# Altium PCB AltitudeDynamicsControlBoard.PcbDoc (part 3 of 3)
Units mm, origin at the board's own origin, x right, y up, seen from the top; angles counter-clockwise.
Board outline 100 x 100 mm, 4 copper layers (Top Layer, Layer 1, Layer 2, Bottom Layer), stack 1.542 mm thick; 278 components, 198 nets, 938 pads, 480 vias.
Unrouted connection lines stored in the file: 18.
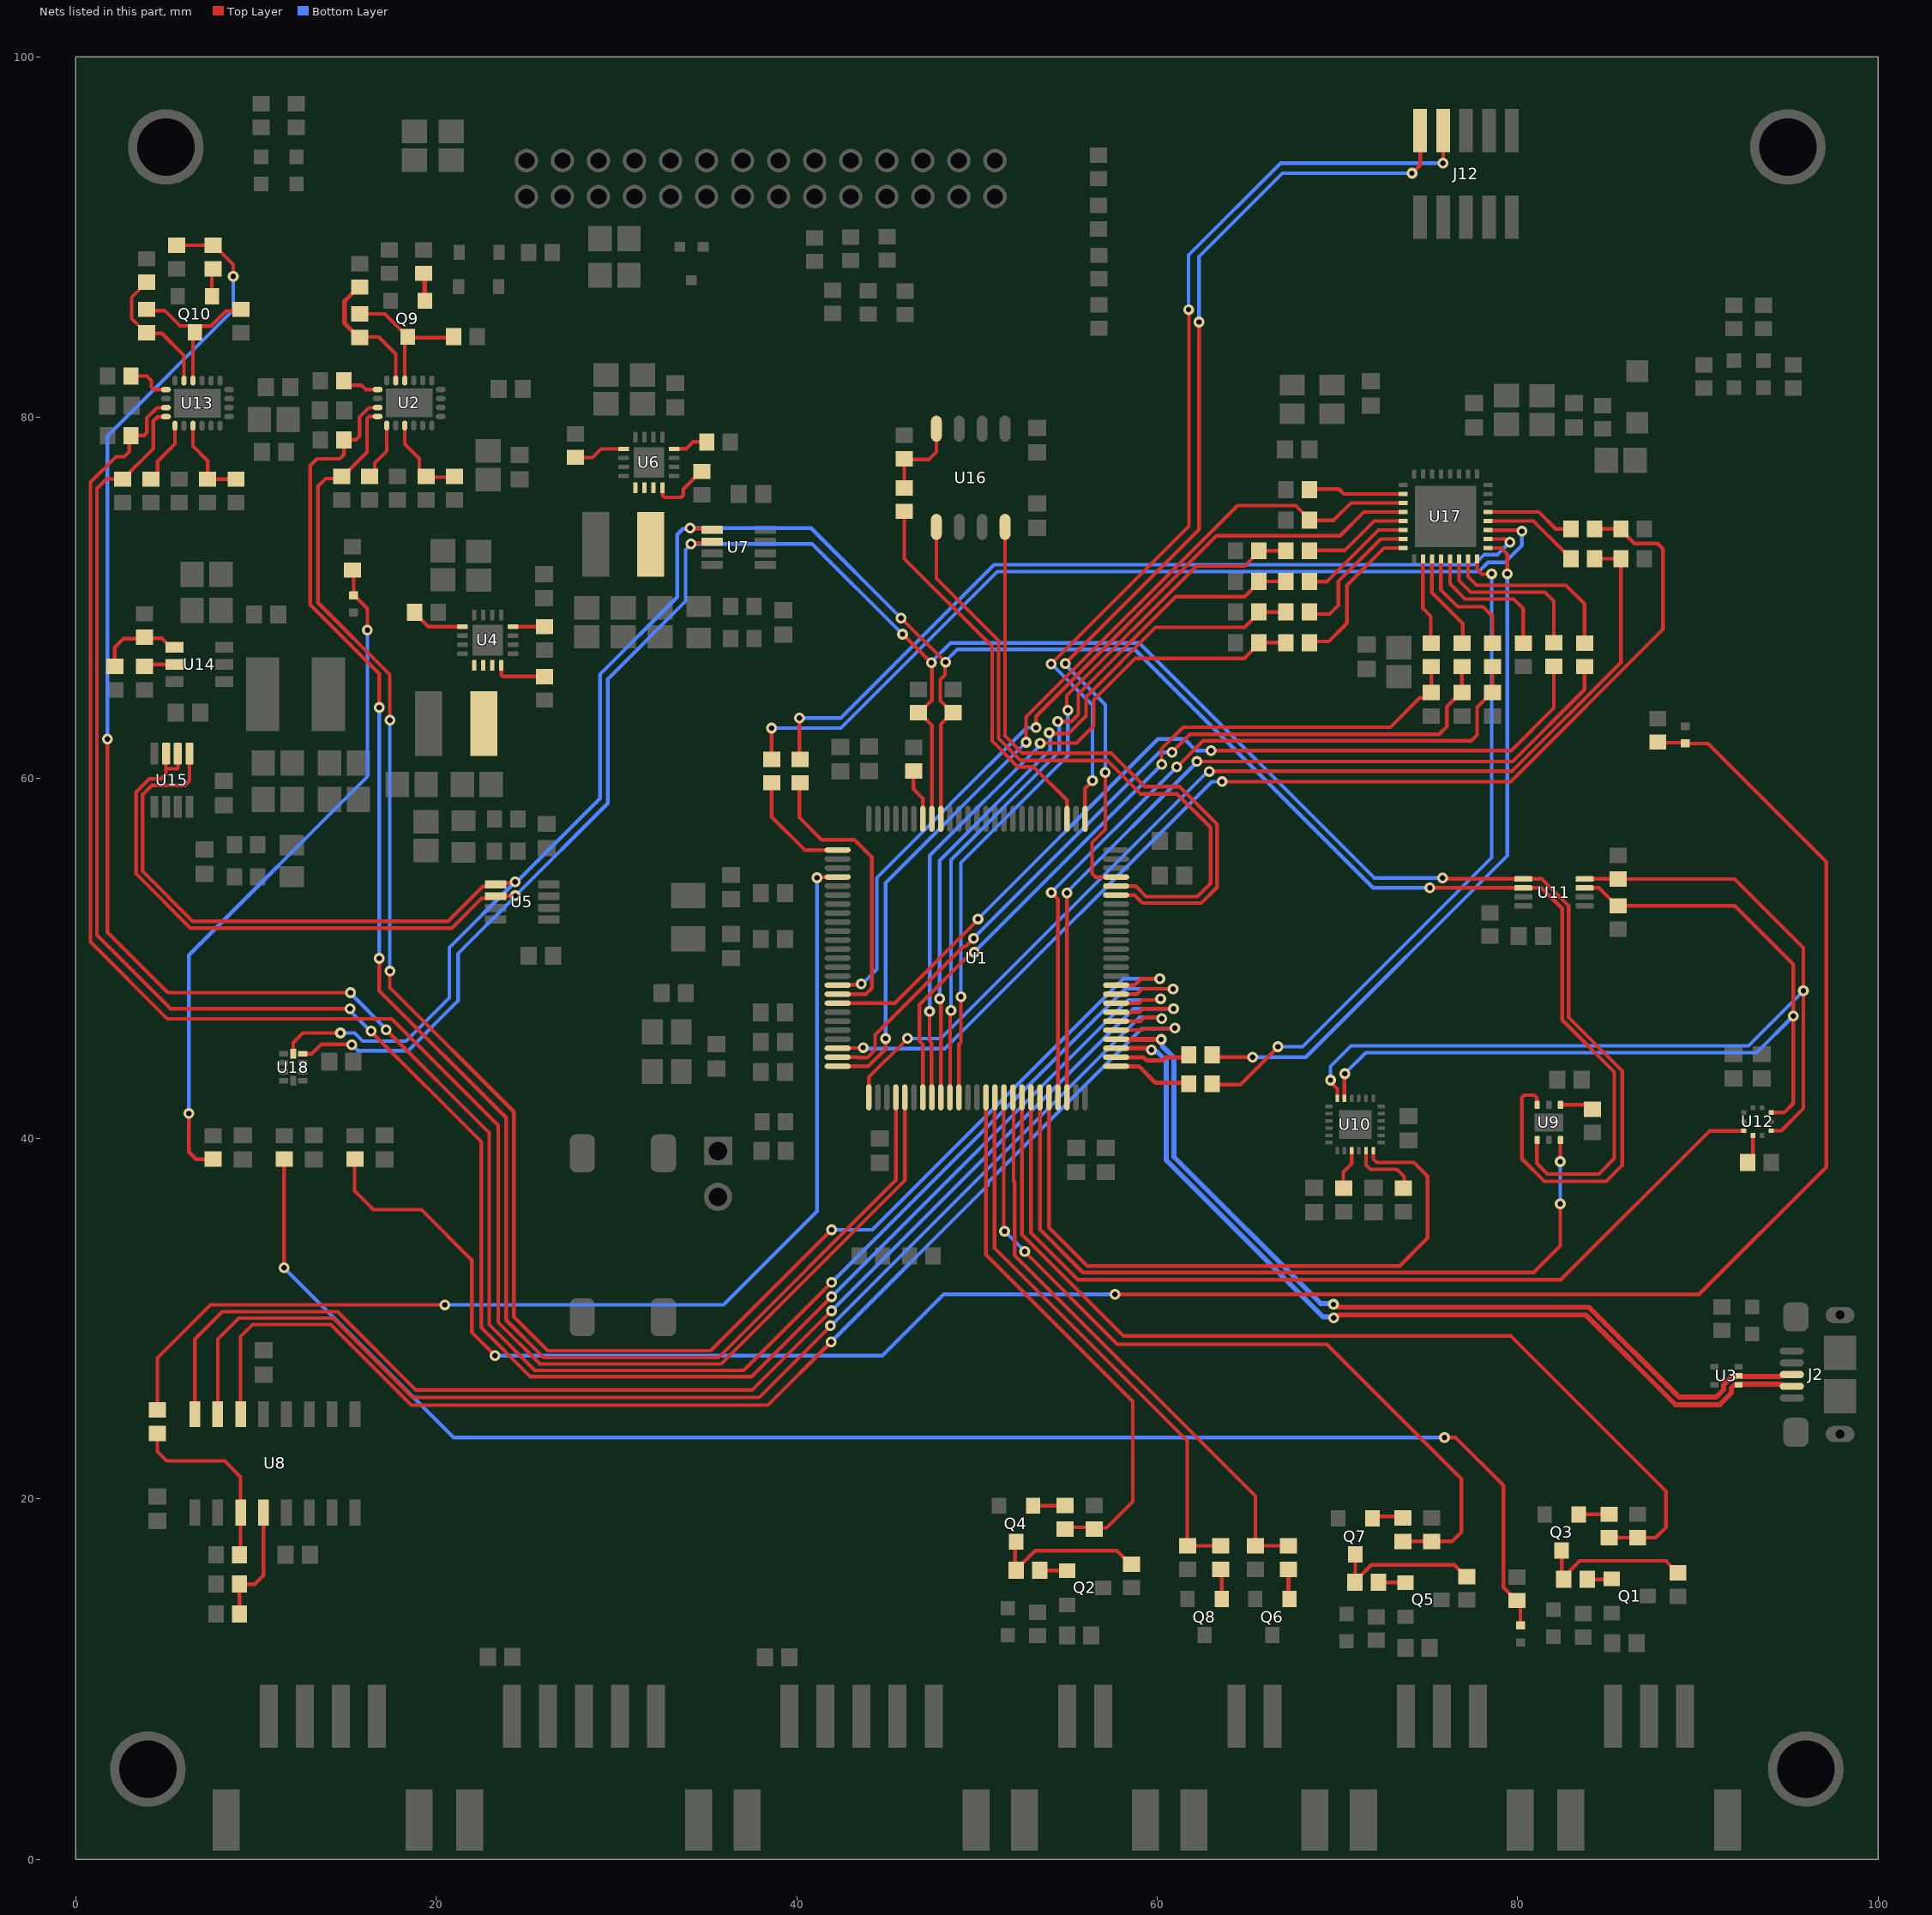
[diagram p5: the nets of this part, all layers, seen from the top]

## Via types
v1: diameter 0.6, hole 0.3, Top Layer to Bottom Layer, 480 vias

## Nets (pads, with @x,y where several pads share a name; then routed paths per layer and width w, separated by ;. In a path a pad name is that pad's centre, name@x,y a point inside that pad or via, vN(x,y) a via of type N, cw(c..) or ccw(c..) an arc to the next point about the centre after c; other vN are vias at no path point) (continued)
NetJ12_9: J12.9 U1.76 | length 53.7
  Top Layer w0.203: v1(54.123,66.324) 54.123,66.332 61.763,73.973 61.763,85.963 v1(61.747,85.979) ; U1.76@56,57.725 56,59.4 56.413,59.814 v1(56.413,59.842) ; v1(75.87,94.107) 75.87,95.707 J12.9@76.073,95.91
  Bottom Layer w0.203: v1(54.123,66.324) 56.413,64.033 v1(56.413,59.842) ; v1(61.747,85.979) 61.747,89.002 66.853,94.107 v1(75.87,94.107)
NetJ12_10: J12.10 U1.72 | length 56.3
  Top Layer w0.203: v1(54.912,66.338) 54.912,66.367 62.332,73.787 v1(62.332,85.293) ; v1(57.125,60.3) 57.125,57.15 56.388,56.413 56.388,54.686 56.574,54.5 U1.72@57.725,54.5 ; v1(74.143,93.548) 74.6,94.005 J12.10@74.6,95.91 ; J12.10@74.574,96.139 J12.10@74.6,96.114
  Bottom Layer w0.203: v1(54.912,66.338) 54.912,66.272 57.125,64.059 v1(57.125,60.3) ; v1(62.332,85.293) 62.332,88.925 66.954,93.548 v1(74.143,93.548)
NetL1_1: L1.1 U4.1 U4.2 U4.3
NetL2_1: L2.1 U6.1 U6.2 U6.3
NetQ1_1: Q1.1 R10.2 | length 1.4
  Top Layer w0.203: R10.2@83.86,15.545 83.886,15.519 85.197,15.519 Q1.1@85.233,15.555
NetQ2_1: Q2.1 R11.2 | length 1.4
  Top Layer w0.203: R11.2@53.482,16.027 Q2.1@54.915,16.027
NetQ3_1: Q3.1 R12.1 | length 1.7
  Top Layer w0.203: Q3.1@83.398,19.136 84.998,19.136 R12.1@85.065,19.202
NetQ3_3: Q3.3 R1.1 R10.1 | length 8.7
  Top Layer w0.203: Q3.3@82.448,17.136 82.448,15.657 R10.1@82.497,15.608 ; R10.1@82.484,15.595 R10.1@82.497,15.608 ; R10.1@82.56,15.545 R10.1@82.497,15.608 ; R1.1@88.9,15.89 88.229,16.561 83.45,16.561 R10.1@82.497,15.608
NetQ4_1: Q4.1 R13.1 | length 1.9
  Top Layer w0.203: Q4.1@53.122,19.618 55,19.618 R13.1@55.016,19.634
NetQ4_3: Q4.3 R6.1 R11.1 | length 9
  Top Layer w0.203: R11.1@51.859,16.417 51.859,16.401 51.953,16.307 R11.1@51.968,16.307 ; Q4.3@52.121,17.653 52.121,16.089 R11.1@52.182,16.027 52.222,16.027 R11.1@52.248,16.002 ; R11.1@52.197,16.205 52.31,16.205 53.224,17.12 57.775,17.12 58.522,16.373 R6.1@58.572,16.373
NetQ5_1: Q5.1 R17.2 | length 1.4
  Top Layer w0.203: R17.2@72.39,15.392 72.431,15.352 Q5.1@73.778,15.352
NetQ6_1: Q6.1 R18.1 | length 1.7
  Top Layer w0.254: R18.1@67.285,16.089 67.285,14.498 Q6.1@67.346,14.437
NetQ7_1: Q7.1 R20.1 | length 1.9
  Top Layer w0.203: Q7.1@71.755,19.025 73.548,19.025 R20.1@73.635,18.938
NetQ7_3: Q7.3 R16.1 R17.1 | length 7.9
  Top Layer w0.203: R17.1@70.993,15.646 Q7.3@70.993,16.907 ; R17.1@71.145,15.646 71.207,15.646 71.893,16.332 76.495,16.332 77.141,15.687 R16.1@77.191,15.687
NetQ8_1: Q8.1 R22.1 | length 1.7
  Top Layer w0.203: R22.1@63.525,16.104 63.586,16.043 Q8.1@63.586,14.437
NetQ9_1: Q9.1 R47.1 | length 1.6
  Top Layer w0.254: R47.1@19.304,87.996 19.365,87.935 Q9.1@19.365,86.471
NetQ9_3: Q9.3 R36.1 R41.2 U2.14 | length 8.3
  Top Layer w0.203: R41.2@15.748,85.74 17.146,85.74 18.092,84.794 18.142,84.794 18.415,84.521 Q9.3@18.415,84.471 Q9.3@18.374,84.43 ; U2.14@18.25,82.05 18.25,84.306 Q9.3@18.374,84.43 ; Q9.3@18.364,84.43 Q9.3@18.374,84.43 ; R36.1@20.965,84.48 20.915,84.43 Q9.3@18.374,84.43
NetQ10_1: Q10.1 R83.1 | length 1.6
  Top Layer w0.203: Q10.1@7.544,86.69 7.544,88.174 R83.1@7.62,88.25
NetQ10_3: Q10.3 R73.1 R77.2 U13.14 | length 9.2
  Top Layer w0.203: R77.2@3.734,85.954 3.759,85.928 4.928,85.928 5.782,85.073 6.306,85.073 6.604,84.775 Q10.3@6.604,84.766 ; U13.14@6.502,82.144 6.501,82.145 6.501,83.412 6.502,83.414 6.502,84.623 Q10.3@6.604,84.725 Q10.3@6.604,84.766 ; R73.1@9.322,85.903 8.331,85.903 7.493,85.065 6.902,85.065 Q10.3@6.604,84.766
NetR12_2: R12.2 R14.2 U1.43 | length 54.6
  Top Layer w0.203: U1.43@52.5,42.275 52.5,34.669 58.137,29.032 79.629,29.032 88.24,20.422 88.24,18.415 87.666,17.841 R14.2@86.665,17.841 R12.2@85.09,17.841
NetR13_2: R13.2 R15.2 U1.39 | length 30.6
  Top Layer w0.203: U1.39@50.5,42.275 50.5,33.549 58.649,25.4 58.649,19.837 57.201,18.39 56.464,18.39 R15.2@56.457,18.382 ; R13.2@54.813,18.415 56.424,18.415 R15.2@56.457,18.382 ; R15.2@56.388,18.313 R15.2@56.457,18.382 ; R15.2@56.652,18.324 R15.2@56.515,18.324 R15.2@56.457,18.382
NetR18_2: R18.2 R19.2 U1.42 | length 32.2
  Top Layer w0.203: U1.42@52.04,42.275 52.04,37.629 52.089,37.579 52.089,33.512 65.456,20.146 R19.2@65.456,17.389 67.223,17.389 R18.2@67.234,17.399
NetR20_2: R20.2 R21.2 U1.41 | length 44.9
  Top Layer w0.203: 51.486,40.767 51.486,34.898 v1(51.535,34.849) ; 51.493,40.767 51.493,42.268 U1.41@51.5,42.275 ; v1(52.654,33.731) 52.654,33.706 57.785,28.575 69.418,28.575 76.886,21.107 76.886,18.161 76.363,17.638 R21.2@75.235,17.638 R20.2@73.635,17.638
  Bottom Layer w0.203: v1(51.535,34.849) v1(52.654,33.731)
NetR22_2: R22.2 R23.2 U1.40 | length 31.2
  Top Layer w0.203: U1.40@50.981,42.249 50.981,33.905 61.671,23.216 61.671,17.413 61.647,17.389 R23.2@61.697,17.389 61.737,17.389 R22.2@63.525,17.389
NetR28_1: R28.1 U1.94 | length 2.8
  Top Layer w0.203: R28.1@46.482,60.35 46.482,59.385 47,58.867 U1.94@47,57.725
NetR29_1: R29.1 U1.92 U5.5 U7.5 U9.1 U11.6 U15.5 U18.10 | length 163.2
  Top Layer w0.203: U15.5@6.309,61.198 6.309,59.849 6.049,59.588 4.216,59.588 3.708,59.08 3.708,54.813 6.477,52.045 20.65,52.045 22.581,53.975 23.179,53.975 23.382,54.178 23.398,54.162 24.3,54.162 v1(24.375,54.237) ; U18.10@12.065,44.692 12.065,45.314 12.598,45.847 v1(14.681,45.847) ; v1(34.087,73.863) 34.141,73.809 35.201,73.809 U7.5@35.24,73.771 ; v1(45.796,68.859) 45.809,68.859 48.245,66.423 v1(48.258,66.423) ; U1.92@48,57.725 48,62.97 48.514,63.484 R29.1@48.514,63.602 ; v1@48.235,66.434 48.235,65.714 47.963,65.442 47.963,64.291 R29.1@48.583,63.671 ; v1(75.133,53.899) 80.366,53.899 80.37,53.895 81.335,53.895 82.474,52.756 82.474,46.573 85.369,43.677 85.369,38.887 84.506,38.024 81.661,38.024 81.077,38.608 U9.1@81.077,39.903
  Bottom Layer w0.203: v1(14.681,45.847) 15.469,45.847 15.921,45.395 18.318,45.395 20.726,47.803 20.726,50.588 v1(24.375,54.237) 24.468,54.237 29.083,58.852 29.083,65.735 33.376,70.028 33.376,73.508 33.685,73.817 34.04,73.817 v1(34.087,73.863) 40.792,73.863 v1(45.796,68.859) ; v1(48.258,66.423) 48.258,66.47 48.916,67.127 58.755,67.127 71.984,53.899 v1(75.133,53.899)
NetR30_1: R30.1 U1.93 U5.6 U7.6 U9.6 U11.5 U15.6 U15.7 U18.9 | length 168.2
  Top Layer w0.203: U15.7@5.004,61.112 5.004,60.579 ; U15.6@5.659,61.343 5.664,61.338 5.664,60.528 5.639,60.503 5.08,60.503 5.004,60.579 ; U18.9@12.59,44.692 13.094,44.692 13.614,45.212 15.303,45.212 v1(15.316,45.199) ; U5.6@23.29,53.416 23.187,53.313 22.514,53.313 20.865,51.664 6.355,51.664 3.353,54.666 3.353,59.228 4.069,59.944 4.724,59.944 5.004,60.223 5.004,60.503 5.004,60.579 ; U5.6@23.29,53.436 23.304,53.45 24.375,53.45 v1(24.389,53.464) ; v1(34.138,72.974) 34.203,73.04 35.372,73.04 U7.6@35.435,73.103 ; v1(45.872,67.97) 45.885,67.97 47.46,66.396 v1(47.473,66.396) 47.498,66.37 47.498,64.299 46.811,63.612 R30.1@46.761,63.612 ; R30.1@46.873,63.551 47.498,62.925 47.498,62.586 47.5,62.584 U1.93@47.5,57.725 ; v1(75.844,54.453) 75.896,54.401 80.311,54.401 U11.5@80.317,54.395 81.343,54.395 82.829,52.908 82.829,46.72 85.801,43.749 85.801,38.497 84.922,37.617 81.483,37.617 80.239,38.862 80.239,42.266 80.366,42.393 80.924,42.393 81.077,42.24 U9.6@81.077,41.834
  Bottom Layer w0.203: v1(15.316,45.199) 15.659,44.856 18.44,44.856 21.209,47.625 21.209,50.241 24.389,53.421 v1(24.389,53.464) 29.515,58.59 29.515,65.481 33.833,69.799 33.833,72.657 34.138,72.962 v1(34.138,72.974) 40.869,72.974 v1(45.872,67.97) ; v1(47.473,66.396) 47.473,66.421 48.539,67.488 59.004,67.488 72.039,54.453 v1(75.844,54.453)
NetR33_1: R33.1 U4.13 | length 2.9
  Top Layer w0.203: R33.1@18.771,68.961 18.985,68.961 19.556,68.39 U4.13@21.46,68.39
NetR37_1: R37.1 U1.60 U2.20 | length 104
  Top Layer w0.203: R37.1@14.63,76.606 13.868,76.606 13.437,76.175 13.437,69.723 17.424,65.735 v1(17.424,63.195) ; R37.1@14.707,76.723 R37.1@14.757,76.723 R37.1@14.757,76.733 ; R37.1@14.91,76.81 14.91,76.825 16.154,78.07 16.154,79.931 16.273,80.05 U2.20@16.75,80.05 ; v1(17.424,49.276) 17.424,48.362 24.308,41.478 24.308,30.099 26.187,28.219 35.23,28.219 v1(41.935,34.925) ; U1.60@57.725,48.5 58.755,48.5 59.11,48.855 v1(60.147,48.855)
  Bottom Layer w0.203: v1(17.424,49.276) v1(17.424,63.195) ; v1(41.935,34.925) 44.196,34.925 58.126,48.855 v1(60.147,48.855)
NetR39_1: R39.1 U4.4 | length 3.1
  Top Layer w0.203: U4.4@23.597,66.37 23.622,66.345 23.622,65.71 ; 23.647,65.684 23.709,65.623 R39.1@26.01,65.623
NetR40_1: R40.1 R42.2 U2.3 | length 4.7
  Top Layer w0.203: U2.3@18.25,79.55 18.25,78.524 19.058,77.716 19.058,77.046 19.218,76.886 R42.2@19.355,76.886 ; R42.2@19.431,76.723 19.471,76.683 R40.1@20.904,76.683
NetR41_1: R41.1 R48.2 U2.15 | length 7.4
  Top Layer w0.203: R41.1@15.683,84.455 16.815,84.455 17.75,83.52 U2.15@17.75,82.05
  Top Layer w0.254: R41.1@15.683,84.455 14.91,85.228 14.91,86.446 15.698,87.234 R48.2@15.748,87.234
NetR43_2: R43.2 U2.17 | length 2.1
  Top Layer w0.203: R43.2@14.874,82.042 15.128,81.788 15.85,81.788 16.088,81.55 U2.17@16.75,81.55
NetR44_2: R44.2 U1.29 U2.19 | length 89.2
  Top Layer w0.203: U2.19@16.75,80.55 16.731,80.531 16.252,80.531 15.748,80.027 15.748,78.969 15.545,78.765 14.899,78.765 R44.2@14.874,78.74 14.884,78.73 14.884,77.953 14.63,77.699 13.386,77.699 13.005,77.318 13.005,69.621 16.84,65.786 v1(16.84,63.906) ; v1(16.832,49.987) 16.832,48.192 23.876,41.148 23.876,29.921 25.959,27.838 35.662,27.838 45.5,37.677 U1.29@45.5,42.275
  Bottom Layer w0.203: v1(16.832,49.987) 16.836,49.991 16.836,63.902 v1(16.84,63.906)
NetR45_2: R45.2 U2.1 | length 3.5
  Top Layer w0.203: R45.2@16.053,76.977 R45.2@16.307,76.723 ; R45.2@16.535,76.733 16.586,76.784 16.586,77.47 17.25,78.134 U2.1@17.25,79.55
NetR46_2: R46.2 U4.8 | length 1.7
  Top Layer w0.203: U4.8@24.26,68.39 25.921,68.39 R46.2@25.959,68.428
NetR51_1: R51.1 U6.13 | length 2.9
  Top Layer w0.203: R51.1@27.711,77.775 28.677,77.775 29.152,78.25 U6.13@30.4,78.25 ; R51.1@27.711,77.785 R51.1@27.711,77.841
NetR54_1: R54.1 U6.4 | length 3.5
  Top Layer w0.203: U6.4@32.55,76.1 32.563,76.087 32.563,75.667 32.664,75.565 33.587,75.565 33.706,75.684 33.706,76.011 34.697,77.002 R54.1@34.747,77.002 ; R54.1@34.696,76.683 R54.1@34.747,76.733
NetR55_2: R55.2 U6.8 | length 1.8
  Top Layer w0.203: U6.8@33.376,78.283 33.401,78.257 33.858,78.257 34.239,78.638 R55.2@35.012,78.638
NetR56_1: R56.1 R58.2 U8.4 | length 6.8
  Top Layer w0.203: R58.2@9.083,13.614 9.083,15.179 R56.1@9.093,15.189 ; R56.1@9.083,15.265 9.931,15.265 10.414,15.748 U8.4@10.414,19.246 10.414,19.279 U8.4@10.516,19.38
NetR57_1: R57.1 R59.2 U8.3 | length 10.3
  Top Layer w0.203: R57.1@4.521,23.495 4.521,22.631 5.055,22.098 8.255,22.098 9.144,21.209 U8.3@9.144,19.246 ; R59.2@9.083,16.891 9.144,16.952 U8.3@9.144,19.152
NetR57_2: R57.2 U1.4 | length 62.2
  Top Layer w0.203: R57.2@4.521,24.932 4.521,27.813 7.468,30.759 v1(20.472,30.759) ; v1(41.123,54.458) 41.146,54.481 41.985,54.481 U1.4@41.986,54.483
  Bottom Layer w0.203: v1(20.472,30.759) 35.941,30.759 41.123,35.941 v1(41.123,54.458)
NetR60_2: R60.2 U9.4 | length 1.7
  Top Layer w0.203: U9.4@82.387,41.859 84.074,41.859 R60.2@84.099,41.834
NetR62_1: R62.1 U10.23 U11.3 U12.2 | length 49.9
  Top Layer w0.203: U10.23@70.393,42.217 70.393,43.571 v1(70.409,43.586) ; U11.3@83.717,53.895 84.526,53.895 85.369,53.051 R62.1@85.369,52.984 ; R62.1@85.573,52.898 92.06,52.898 95.301,49.657 v1(95.301,46.787) 95.301,41.935 94.793,41.427 94.107,41.427 U12.2@94.082,41.402
  Bottom Layer w0.203: v1(70.409,43.586) 71.577,44.755 93.269,44.755 v1(95.301,46.787)
NetR63_1: R63.1 U10.24 U11.4 U12.4 | length 54.8
  Top Layer w0.203: v1(69.621,43.231) 69.621,43.123 69.993,42.752 U10.24@69.993,42.217 ; U11.4@83.717,54.395 85.508,54.395 R63.1@85.547,54.356 ; R63.1@85.573,54.392 92.039,54.392 95.86,50.571 v1(95.86,48.184) 95.86,41.656 94.631,40.427 94.116,40.427 U12.4@94.107,40.437 ; U12.4@94.082,40.427 94.094,40.427 U12.4@94.118,40.404
  Bottom Layer w0.203: v1(69.621,43.231) 69.621,43.993 70.764,45.136 92.812,45.136 v1(95.86,48.184)
NetR64_1: R64.1 U10.11 | length 4
  Top Layer w0.203: U10.11@71.593,39.317 71.593,38.516 71.831,38.278 73.304,38.278 73.711,37.871 R64.1@73.711,37.059
NetR65_1: R65.1 U10.9 | length 2.3
  Top Layer w0.203: R65.1@70.434,37.262 70.333,37.363 70.333,38.125 70.793,38.586 U10.9@70.793,39.317
NetR66_1: R66.1 R70.2 R132.1 | length 38.2
  Top Layer w0.203: v1(6.274,41.377) 6.274,39.243 6.68,38.837 R132.1@7.493,38.837 ; R70.2@15.367,70.104 15.418,70.155 R66.1@15.418,71.537 ; R70.2@15.418,70.122 15.443,70.122 16.18,69.385 v1(16.18,68.199)
  Bottom Layer w0.203: v1(6.274,41.377) 6.274,50.165 16.18,60.071 v1(16.18,68.199)
NetR67_1: R67.1 R71.2 R133.1 | length 86.8
  Top Layer w0.203: v1(11.557,32.817) R133.1@11.557,38.76 ; v1(75.946,23.393) 76.567,23.393 79.223,20.738 79.223,15.073 79.935,14.361 R67.1@79.959,14.361 ; R67.1@79.985,14.361 80.162,14.184 R71.2@80.162,12.972
  Bottom Layer w0.203: v1(11.557,32.817) 20.98,23.393 v1(75.946,23.393)
NetR68_1: R68.1 R72.2 R134.1 | length 123
  Top Layer w0.203: R134.1@15.469,38.76 15.469,37.084 16.51,36.043 19.177,36.043 21.971,33.249 21.971,29.235 v1(23.266,27.94) ; v1(57.658,31.344) 90.068,31.344 97.13,38.405 97.13,55.347 90.569,61.907 R72.2@89.306,61.907 89.263,61.951 R68.1@87.605,61.951
  Bottom Layer w0.203: v1(23.266,27.94) 44.755,27.94 48.158,31.344 v1(57.658,31.344)
NetR69_2: R69.2 U12.6 | length 1.6
  Top Layer w0.203: U12.6@93.069,40.164 93.069,38.605 R69.2@93.091,38.583
NetR74_1: R74.1 U1.58 U13.20 | length 117.4
  Top Layer w0.203: R74.1@2.362,76.581 1.702,76.581 1.168,76.048 1.168,51.283 5.263,47.188 v1(15.215,47.188) ; R74.1@2.438,76.53 2.565,76.53 4.293,78.257 4.293,79.781 4.535,80.023 4.982,80.023 U13.20@5.001,80.042 ; v1(16.383,45.949) 16.383,45.923 22.504,39.802 22.504,29.489 25.222,26.772 37.49,26.772 v1(41.935,31.217) ; U1.58@58.014,47.498 59.004,47.498 59.182,47.676 60.127,47.676 v1(60.198,47.747)
  Bottom Layer w0.203: v1(15.215,47.188) 15.215,47.092 16.358,45.949 v1(16.383,45.949) ; v1(41.935,31.217) 58.395,47.676 60.127,47.676 v1(60.198,47.747)
NetR76_1: R76.1 R78.2 U13.3 | length 4.9
  Top Layer w0.203: U13.3@6.501,79.542 6.501,78.411 7.315,77.597 R78.2@7.315,76.571 8.702,76.571 R76.1@8.839,76.708
NetR77_1: R77.1 R82.2 U13.15 | length 7.5
  Top Layer w0.17: R77.1@3.708,84.658 3.708,84.873 3.099,85.482 3.099,86.665 3.547,87.113 3.547,87.163 3.887,87.503 R82.2@3.937,87.503
  Top Layer w0.203: R77.1@3.886,84.658 4.775,84.658 6.001,83.432 U13.15@6.001,82.042
NetR79_2: R79.2 U13.17 | length 2.5
  Top Layer w0.203: R79.2@3.063,82.296 3.937,82.296 4.191,82.042 4.191,81.696 4.345,81.542 U13.17@5.001,81.542
NetR80_2: R80.2 U1.30 U13.19 | length 102.5
  Top Layer w0.203: U13.19@5.001,80.542 4.992,80.533 4.511,80.533 3.937,79.959 3.937,79.143 3.788,78.994 R80.2@3.063,78.994 2.972,78.903 2.972,78.105 2.692,77.826 2.235,77.826 0.813,76.403 0.813,50.902 5.08,46.634 17.526,46.634 23.444,40.716 23.444,29.794 25.756,27.483 35.814,27.483 46,37.669 U1.30@46,42.275
NetR81_2: R81.2 U13.1 | length 3.4
  Top Layer w0.203: R81.2@4.267,76.708 4.353,76.708 4.539,76.894 4.539,77.564 5.501,78.526 U13.1@5.501,79.542
NetR83_2: R83.2 R84.2 U1.59 | length 131
  Top Layer w0.203: v1(1.753,62.154) 1.753,51.435 5.105,48.082 v1(15.24,48.082) ; R84.2@5.588,89.55 R83.2@7.533,89.55 ; R83.2@7.62,89.55 7.67,89.55 8.738,88.482 v1(8.738,87.833) ; v1(17.221,46.025) 22.936,40.31 22.936,29.667 25.476,27.127 37.059,27.127 v1(41.935,32.004) ; U1.59@57.725,48 58.875,48 59.176,48.301 60.868,48.301 v1(60.884,48.285)
  Bottom Layer w0.203: v1(1.753,62.154) 1.753,78.969 8.738,85.954 v1(8.738,87.833) ; v1(15.24,48.082) 15.24,48.044 17.221,46.063 v1(17.221,46.025) ; v1(41.935,32.004) 58.233,48.301 60.868,48.301 v1(60.884,48.285)
NetR86_2: R86.2 U14.5 | length 1.7
  Top Layer w0.203: R86.2@3.81,66.218 3.886,66.294 U14.5@5.483,66.294
NetR87_1: R87.1 R90.2 U14.4 | length 4.4
  Top Layer w0.203: R87.1@2.159,66.182 2.159,67.234 2.649,67.724 3.437,67.724 R90.2@3.454,67.742 ; R90.2@3.835,67.742 4.785,67.742 5.283,67.244 U14.4@5.483,67.244
NetR91_1: R91.1 R92.2 U16.8 | length 4.8
  Top Layer w0.203: R91.1@45.949,76.124 45.974,76.149 R92.2@45.974,77.709 ; R92.2@45.999,77.673 47.346,77.673 47.752,78.08 U16.8@47.752,79.375
NetR91_2: R91.2 U1.78 | length 21.3
  Top Layer w0.203: R91.2@45.974,74.788 45.974,72.161 50.843,67.292 50.843,62.045 52.283,60.604 53.162,60.604 55,58.766 U1.78@55,57.725
NetR94_1: R94.1 U1.25 U17.11 | length 51.2
  Top Layer w0.203: U1.25@42.275,44 43.975,44 44.933,44.958 v1(44.933,45.537) ; v1(52.73,61.976) 52.73,63.373 64.465,75.108 67.692,75.108 68.45,74.35 R94.1@68.45,74.3 ; R94.1@68.478,74.295 69.799,74.295 70.754,75.25 U17.11@73.65,75.25
  Bottom Layer w0.203: v1(44.933,45.537) 44.933,54.178 v1(52.73,61.976)
NetR95_1: R95.1 U17.21 | length 7.9
  Top Layer w0.203: U17.21@76.25,72.15 76.25,70.765 77.089,69.926 79.781,69.926 80.315,69.393 80.315,68.58 ; R95.1@80.316,67.477 80.316,68.579
NetR98_1: R98.1 U1.18 | length 49.5
  Top Layer w0.203: U1.18@42.189,47.498 42.191,47.5 U1.18@42.275,47.5 45.443,47.5 50.063,52.121 v1(50.063,52.172) ; v1(62.992,61.509) 79.645,61.509 82.016,63.88 R98.1@82.016,66.192
  Bottom Layer w0.203: v1(50.063,52.172) 60.046,62.154 61.517,62.154 62.162,61.509 v1(62.992,61.509)
NetR98_2: R98.2 U17.22 | length 9.2
  Top Layer w0.203: U17.22@76.75,72.15 76.75,70.951 77.394,70.307 81.507,70.307 82.016,69.798 R98.2@82.016,67.492
NetR99_1: R99.1 U17.24 | length 37.9
  Top Layer w0.203: R99.1@63.17,42.977 64.618,42.977 66.7,45.06 v1(66.7,45.085) ; U17.24@77.75,72.15 77.75,71.577 78.021,71.306 78.545,71.306 v1(78.562,71.323)
  Bottom Layer w0.203: v1(66.7,45.085) 68.072,45.085 78.562,55.575 v1(78.562,71.323)
NetR99_2: R99.2 U1.51 | length 4.3
  Top Layer w0.237: U1.51@57.879,44 58.993,44 59.915,43.078 61.707,43.078 R99.2@61.758,43.028
NetR100_1: R100.1 U17.25 | length 39
  Top Layer w0.203: R100.1@63.017,44.425 63.094,44.501 v1(65.303,44.501) ; U17.25@78.35,72.75 79.091,72.75 79.426,72.415 v1(79.426,71.323)
  Bottom Layer w0.203: v1(65.303,44.501) 68.25,44.501 79.426,55.677 v1(79.426,71.323)
NetR100_2: R100.2 U1.52 | length 4.2
  Top Layer w0.237: U1.52@57.725,44.5 59.231,44.5 59.403,44.329 60.305,44.329 60.477,44.501 61.62,44.501 R100.2@61.747,44.628
NetR101_1: R101.1 U17.26 | length 47.1
  Top Layer w0.203: v1(40.157,63.322) 40.157,61.051 R101.1@40.183,61.026 ; U17.26@78.354,73.254 78.357,73.25 79.297,73.25 79.471,73.076 v1(79.578,73.076)
  Bottom Layer w0.203: v1(40.157,63.322) 42.443,63.322 50.952,71.831 77.597,71.831 78.156,72.39 78.892,72.39 v1(79.578,73.076)
NetR101_2: R101.2 U1.17 | length 16.1
  Top Layer w0.203: R101.2@40.157,59.639 40.157,57.785 41.377,56.566 43.205,56.566 44.171,55.601 44.171,48.336 43.834,48 U1.17@42.275,48
NetR102_1: R102.1 U17.27 | length 50.3
  Top Layer w0.203: v1(38.608,62.763) 38.608,61.087 R102.1@38.659,61.036 ; U17.27@78.35,73.75 78.357,73.743 80.181,73.743 v1(80.239,73.685)
  Bottom Layer w0.203: v1(38.608,62.763) 42.443,62.763 51.13,71.45 77.851,71.45 78.359,71.958 79.299,71.958 80.239,72.898 v1(80.239,73.685)
NetR102_2: R102.2 U1.1 | length 6.3
  Top Layer w0.203: R102.2@38.608,59.726 38.608,57.836 40.444,56 42.247,56 U1.1@42.266,55.982
NetR103_1: R103.1 U1.48 | length 46.1
  Top Layer w0.203: v1(54.991,53.619) 54.995,53.615 54.995,42.28 U1.48@55,42.275 ; v1(62.205,60.909) 79.731,60.909 83.716,64.894 R103.1@83.716,66.177
  Bottom Layer w0.203: v1(54.991,53.619) 54.991,53.657 62.205,60.871 v1(62.205,60.909)
NetR103_2: R103.2 U17.23 | length 10.3
  Top Layer w0.203: U17.23@77.25,72.15 77.25,71.162 77.724,70.688 82.677,70.688 83.718,69.647 R103.2@83.718,67.412
NetR104_1: R104.1 R116.2 U1.24 | length 45.5
  Top Layer w0.203: U1.24@42.419,44.5 43.396,44.5 43.416,44.48 43.917,44.48 44.348,44.911 44.348,45.742 49.261,50.654 49.381,50.654 v1(49.82,51.094) ; v1(60.831,61.419) 60.831,61.441 61.809,62.419 75.652,62.419 76.073,62.84 76.073,63.942 76.866,64.734 R116.2@76.916,64.734 R104.1@76.916,66.177
  Bottom Layer w0.203: v1(49.82,51.094) 49.82,51.116 60.125,61.42 v1(60.831,61.419)
NetR104_2: R104.2 U17.19 | length 5.4
  Top Layer w0.203: U17.19@75.25,72.15 75.25,70.267 76.962,68.555 R104.2@76.962,67.437
NetR105_1: R105.1 R117.2 U1.33 | length 38.6
  Top Layer w0.203: v1(47.371,47.041) 47.371,45.415 47.481,45.305 47.481,42.689 U1.33@47.498,42.672 ; v1(53.511,61.925) 55.524,61.925 56.49,62.89 56.49,64.338 58.776,66.624 64.824,66.624 65.65,67.45 R117.2@65.65,67.5 ; R117.2@65.735,67.513 67.137,67.513 R105.1@67.15,67.5
  Bottom Layer w0.203: v1(47.371,47.041) 47.381,47.05 47.381,55.687 53.511,61.818 v1(53.511,61.925)
NetR105_2: R105.2 U17.16 | length 8.5
  Top Layer w0.203: R105.2@68.504,67.539 68.529,67.564 69.52,67.564 70.536,68.58 70.536,70.688 72.598,72.75 U17.16@73.65,72.75
NetR106_1: R106.1 R118.2 U1.34 | length 39.3
  Top Layer w0.203: v1(47.935,47.752) 48.006,47.681 U1.34@48.006,42.418 ; v1(54.009,62.503) 54.053,62.459 54.742,62.459 ; 54.743,62.459 55.074,62.459 56.058,63.443 56.058,64.491 59.919,68.351 64.851,68.351 65.65,69.15 R118.2@65.65,69.2 R106.1@67.15,69.2
  Bottom Layer w0.203: v1(47.935,47.752) 47.935,55.416 54.065,61.546 54.065,62.447 v1(54.009,62.503)
NetR106_2: R106.2 U17.15 | length 7.7
  Top Layer w0.203: R106.2@68.478,69.088 69.571,69.088 70.053,69.571 70.053,70.891 72.412,73.25 U17.15@73.65,73.25
NetR107_1: R107.1 R119.2 U1.35 | length 40
  Top Layer w0.203: U1.35@48.514,42.189 48.519,42.194 48.519,47.05 v1(48.56,47.092) ; v1(54.488,63.125) 55.238,63.125 55.626,63.514 55.626,64.643 61.036,70.053 64.853,70.053 65.65,70.85 R119.2@65.65,70.9 ; R119.2@65.684,70.917 65.701,70.9 R107.1@67.15,70.9
  Bottom Layer w0.203: v1(48.56,47.092) 48.56,55.443 54.563,61.447 54.563,63.049 v1(54.488,63.125)
NetR107_2: R107.2 U17.14 | length 6.4
  Top Layer w0.203: R107.2@68.428,70.891 69.422,70.891 72.28,73.75 U17.14@73.65,73.75
NetR108_1: R108.1 R120.2 U1.36 | length 40.3
  Top Layer w0.203: U1.36@49,42.275 49,45.216 49.114,45.33 v1(49.114,47.854) ; v1(55.042,63.748) 54.991,63.798 54.991,64.567 62.179,71.755 64.855,71.755 65.65,72.55 R120.2@65.65,72.584 ; R120.2@65.65,72.6 R120.2@65.65,72.584 ; R108.1@67.15,72.6 65.666,72.6 R120.2@65.65,72.584
  Bottom Layer w0.203: v1(49.114,47.854) 49.114,55.286 55.042,61.214 v1(55.042,63.748)
NetR108_2: R108.2 U17.13 | length 5.9
  Top Layer w0.203: R108.2@68.453,72.619 70.409,72.619 72.04,74.25 U17.13@73.65,74.25
NetR109_2: R109.2 U17.10 | length 5.3
  Top Layer w0.203: R109.2@68.428,76.048 68.453,76.022 70.079,76.022 70.351,75.75 U17.10@73.65,75.75
NetR111_1: R111.1 R121.2 U1.47 | length 42.9
  Top Layer w0.203: v1(54.127,53.645) 54.5,53.272 U1.47@54.5,42.275 ; v1(61.087,60.604) 61.093,60.604 62.551,62.063 77.43,62.063 77.749,62.382 77.749,63.918 78.566,64.734 R121.2@78.616,64.734 R111.1@78.616,66.177
  Bottom Layer w0.203: v1(54.127,53.645) v1(61.087,60.604)
NetR111_2: R111.2 U17.20 | length 6.7
  Top Layer w0.203: U17.20@75.75,72.15 75.75,70.427 76.683,69.494 78.085,69.494 78.616,68.964 R111.2@78.616,67.477
NetR112_1: R112.1 R122.2 U1.32 | length 42.9
  Top Layer w0.203: U1.32@47,42.088 47,45.227 46.817,45.41 46.817,47.418 49.641,50.241 49.784,50.241 v1(49.86,50.317) ; v1(60.249,60.757) 60.249,61.62 61.443,62.814 72.949,62.814 74.58,64.445 74.927,64.445 R122.2@75.216,64.734 ; R112.1@75.216,66.177 75.216,64.789 R122.2@75.235,64.77
  Bottom Layer w0.203: v1(49.86,50.317) 49.86,50.343 60.249,60.731 v1(60.249,60.757)
NetR112_2: R112.2 U17.18 | length 4.9
  Top Layer w0.203: U17.18@74.75,72.15 74.75,69.395 75.184,68.961 R112.2@75.184,67.462
NetR114_1: R114.1 R123.2 U1.23 | length 64.3
  Top Layer w0.203: U1.23@42.15,44.994 42.172,45.017 43.671,45.017 v1(43.688,45.034) ; v1(63.602,59.792) 79.624,59.792 88.062,68.23 88.062,72.72 87.782,73 86.498,73 85.735,73.762 R123.2@85.735,73.812 ; R114.1@84.267,73.812 R123.2@85.7,73.812
  Bottom Layer w0.203: v1(43.688,45.034) 43.739,44.983 48.235,44.983 63.043,59.792 v1(63.602,59.792)
NetR114_2: R114.2 U17.29 | length 5.1
  Top Layer w0.203: U17.29@78.283,74.752 78.285,74.75 U17.29@78.35,74.75 81.181,74.75 82.118,73.812 R114.2@82.967,73.812
NetR115_1: R115.1 R124.2 U1.26 | length 59.3
  Top Layer w0.203: U1.26@44,42.501 44,43.39 v1(46.152,45.542) ; v1(62.89,60.355) 62.911,60.376 79.705,60.376 85.735,66.406 R124.2@85.735,72.161 R115.1@84.328,72.161 ; R124.2@85.735,72.35 R124.2@85.75,72.365
  Bottom Layer w0.203: v1(46.152,45.542) 47.998,45.542 62.811,60.355 v1(62.89,60.355)
NetR115_2: R115.2 U17.28 | length 5.5
  Top Layer w0.203: U17.28@78.334,74.244 78.339,74.25 U17.28@78.35,74.25 80.878,74.25 82.593,72.535 82.643,72.535 82.967,72.211 R115.2@82.967,72.161
NetU1_16: U1.16 U17.12 | length 45.5
  Top Layer w0.203: U1.16@42.347,48.494 42.372,48.519 43.54,48.519 v1(43.586,48.565) ; v1(53.284,62.789) 53.284,63.419 63.297,73.431 70.155,73.431 71.473,74.75 U17.12@73.65,74.75
  Bottom Layer w0.203: v1(43.586,48.565) 43.637,48.565 44.45,49.378 44.45,54.462 48.516,58.528 48.516,58.545 52.76,62.789 v1(53.284,62.789)
NetU1_44: U1.44 U12.7 | length 51.6
  Top Layer w0.203: U1.44@53,42.275 53,34.757 55.601,32.156 82.398,32.156 90.645,40.404 92.52,40.404 92.543,40.427 U12.7@92.556,40.427
NetU1_45: U1.45 U9.3 | length 43.7
  Top Layer w0.203: U1.45@53.5,42.275 53.5,34.943 55.88,32.563 80.899,32.563 82.372,34.036 v1(82.372,36.373) ; v1(82.372,38.71) 82.367,38.715 82.367,39.949 U9.3@82.372,39.954
  Bottom Layer w0.203: v1(82.372,36.373) v1(82.372,38.71)
NetU1_46: U1.46 U10.12 | length 37.1
  Top Layer w0.203: U1.46@54,42.275 54,35.052 56.134,32.918 73.457,32.918 75.006,34.468 75.006,37.897 74.244,38.659 72.187,38.659 71.995,38.851 U10.12@71.993,39.317 U10.12@71.993,39.317
NetU1_55: U1.55 U8.14 | length 70.3
  Top Layer w0.203: U8.14@9.144,24.696 9.144,29.007 9.804,29.667 14.148,29.667 18.618,25.197 38.405,25.197 v1(41.91,28.702) ; U1.55@57.725,46 57.744,46.019 59.176,46.019 59.242,46.085 60.944,46.085 v1(60.985,46.126)
  Bottom Layer w0.203: v1(41.91,28.702) 50.635,37.427 50.635,37.579 59.141,46.085 60.944,46.085 v1(60.985,46.126)
NetU1_56: U1.56 U8.15 | length 70.3
  Top Layer w0.203: U8.15@7.874,24.696 7.874,28.854 9.042,30.023 14.295,30.023 18.689,25.629 37.922,25.629 41.874,29.58 v1(41.874,29.602) ; U1.56@57.725,46.5 59.073,46.5 59.284,46.711 60.177,46.711 v1(60.249,46.639)
  Bottom Layer w0.203: v1(41.874,29.602) 41.895,29.602 59.004,46.711 60.177,46.711 v1(60.249,46.639)
NetU1_57: U1.57 U8.16 | length 72.9
  Top Layer w0.203: U8.16@6.604,24.696 6.604,28.854 8.128,30.378 14.529,30.378 18.872,26.035 37.524,26.035 41.918,30.429 v1(41.935,30.429) ; U1.57@57.725,47 59.014,47 59.207,47.193 v1(60.909,47.193)
  Bottom Layer w0.203: v1(41.935,30.429) 58.699,47.193 v1(60.909,47.193)
NetU1_70: U1.70 U16.4 | length 35
  Top Layer w0.203: U16.4@51.562,73.925 51.562,62.332 52.527,61.366 57.462,61.366 59.316,59.512 61.239,59.512 63.322,57.429 63.322,53.924 62.459,53.061 59.182,53.061 58.75,53.492 57.733,53.492 U1.70@57.725,53.5
NetU1_71: U1.71 U16.1 | length 35.9
  Top Layer w0.203: U16.1@47.752,73.925 47.752,71.069 51.206,67.615 51.206,62.184 52.431,60.96 57.248,60.96 59.102,59.106 61.112,59.106 62.967,57.252 62.967,54.153 62.23,53.416 59.385,53.416 58.801,54 U1.71@57.725,54
USB_HEADER_N: J2.2 U1.53 U3.1 | length 49.5
  Top Layer w0.277: U1.53@57.725,45 59.503,45 59.603,44.9 v1(59.691,44.9) ; v1(69.8,30.037) 69.887,30.037 70.056,30.206 83.785,30.206 88.767,25.225 91.213,25.225 91.863,25.874 91.863,26.149 92.025,26.311 92.256,26.311 U3.1@92.267,26.322 ; U3.1@92.436,26.354 92.44,26.358 93.864,26.358 93.867,26.354 94.602,26.354 94.713,26.244 J2.2@95.221,26.244
  Bottom Layer w0.277: v1(59.691,44.9) 59.778,44.9 59.879,44.799 60.002,44.799 60.505,44.296 60.505,38.796 69.202,30.099 69.738,30.099 v1(69.8,30.037)
USB_HEADER_P: J2.3 U1.54 U3.2 | length 49.6
  Top Layer w0.277: U1.54@57.734,45.491 57.739,45.496 58.321,45.496 58.325,45.491 v1(60.223,45.491) ; v1(69.783,30.79) 69.871,30.79 70.025,30.635 83.963,30.635 88.945,25.654 91.035,25.654 91.433,26.052 91.433,26.327 91.87,26.763 92.133,26.763 92.192,26.822 U3.2@92.267,26.822 ; U3.2@92.436,26.791 92.44,26.787 94.042,26.787 94.045,26.784 94.602,26.784 94.713,26.894 J2.3@95.221,26.894
  Bottom Layer w0.277: v1(60.223,45.491) 60.283,45.431 60.283,45.126 60.935,44.474 60.935,38.974 69.068,30.841 69.732,30.841 v1(69.783,30.79)
pads on no net: J3.M J4.M J5.M J6.M J7.M J8.M J11.M J12.4 U1.2 U1.3 U1.5 U1.7 U1.15 U1.31 U1.61 U1.62 U1.65 U1.68 U1.69 U1.83 U1.84 U1.85 U1.86 U1.87 U1.88 U1.91 U1.95 U1.96 U1.97 U1.98 U4.17@22.86,67.64 U6.17@31.8,77.5 U10.1 U10.2 U10.3 U10.4 U10.5 U10.6 U10.7 U10.14 U10.15 U10.16 U10.17 U10.19 U10.21 U10.25 U18.2 U18.7

## Polygon pours and split planes (outlines as drawn)
GND on Top Layer "Top Layer-GND" (solid, remove dead copper, pour order 22): 0,0 100,0 100,100 0,100
+1.8 on Top Layer "Top Layer-+1.8" (solid, pour order 20): 35.281,68.351 35.281,66.396 35.052,66.167 33.934,66.167 33.757,66.345 33.757,68.351
6V on Top Layer "Top Layer-6V" (solid, pour order 18): 11.278,55.169 12.954,55.169 14.453,53.67 14.453,52.375 14.351,52.273 11.278,52.273
+3.3 on Top Layer "Top Layer-+3.3" (solid, pour order 16): 20.777,56.49 20.777,55.093 20.396,54.712 18.034,54.712 17.805,54.483 17.805,53.416 18.009,53.213 21.336,53.213 22.25,54.127 22.25,56.49
NetC33_2 on Top Layer "Top Layer-NetC33_2" (solid, pour order 10): 18.72,64.846 18.72,56.921 22.174,56.921 22.174,60.503 21.59,61.087 20.65,61.087 20.371,61.366 20.371,64.846
NetL1_1 on Top Layer "Top Layer-NetL1_1" (solid, pour order 8): 23.256,66.556 23.256,64.983 23.393,64.846 23.393,61.214 21.869,61.214 21.869,64.846 21.971,64.948 21.971,66.556
NetL2_1 on Top Layer "Top Layer-NetL2_1" (solid, pour order 14): 32.182,76.429 32.182,75.235 32.664,74.752 32.664,71.145 31.14,71.145 31.14,74.727 31.115,74.752 30.912,74.955 30.912,76.429
NetC44_2 on Top Layer "Top Layer-NetC44_2" (solid, pour order 6): 35.255,70.104 30.658,70.104 29.616,71.145 29.616,74.752 28.092,74.752 28.092,70.561 27.635,70.104 27.635,68.758 35.255,68.758
NetC65_2 on Top Layer "Top Layer-NetC65_2" (solid, pour order 2): 14.961,66.7 14.961,61.9 14.732,61.671 14.732,57.734 12.649,55.651 11.303,55.651 11.303,61.544 12.167,62.408 12.827,62.408 13.081,62.662 13.081,66.7
+12 on Top Layer "Top Layer-+12" (solid, pour order 1): 8.23,80.696 10.922,80.696 10.922,70.383 10.414,69.875 10.414,68.072 9.246,66.904 7.696,66.904 7.366,67.234 7.366,72.288 7.62,72.542 8.992,72.542 9.677,73.228 9.677,77.191 8.814,78.054 7.544,78.054 6.858,78.74 6.858,79.807 8.23,79.807
+5 on Top Layer "Top Layer-+5" (solid, pour order 4): 19.964,80.721 23.901,80.721 25.908,80.721 26.619,81.432 32.182,81.432 32.182,78.588 29.515,78.588 26.873,78.588 26.695,78.41 26.695,73.558 24.714,71.577 23.266,70.129 23.266,68.732 19.66,68.732 19.66,71.679 23.063,71.679 25.324,73.939 25.324,77.114 24.968,77.47 22.022,77.47 21.209,78.283 19.152,78.283 18.593,78.842 18.593,79.832 19.964,79.832
+5_Supply on Top Layer "Top Layer-+5_Supply" (solid, pour order 0): 25.248,82.22 23.978,82.22 23.978,80.95 23.901,80.874 19.964,80.874 19.964,81.763 18.593,81.763 18.593,82.906 19.304,83.617 24.232,83.617 28.194,87.579 28.194,94.539 28.677,95.021 29.312,95.021 29.794,94.539 29.794,86.766
+12_Supply on Top Layer "Top Layer-+12_Supply" (solid, pour order 12): 11.1,82.347 11.793,83.04 11.773,86.728 16.51,91.465 25.298,91.465 25.781,91.948 25.781,94.564 25.375,94.971 16.485,94.971 15.773,94.259 15.773,93.523 9.931,87.681 9.931,85.192 9.881,85.141 8.661,85.141 8.661,84.176 6.807,82.321 6.807,81.763 8.23,81.763 8.23,80.874 10.871,80.874 10.973,80.874 11.1,81.001
GND on Bottom Layer "Bot Layer-GND" (solid, remove dead copper, pour order 24): 0,0 100,0 100,100 0,100
+1.8 on Layer 2 (split plane): 35.305,66.37 35.31,66.34 35.327,66.315 36.724,64.918 36.749,64.901 36.779,64.896 61.766,64.896 72.109,54.552 72.109,43.561 72.115,43.531 72.132,43.506 72.208,43.43 77.466,38.172 77.491,38.155 77.521,38.149 89.687,38.149 89.717,38.155 89.742,38.172 90.733,39.163 90.75,39.188 90.756,39.218 90.756,42.24 90.75,42.27 90.733,42.295 85.015,48.013 85.015,56.686 85.402,57.072 85.769,57.072 86.282,56.559 86.282,48.336 86.288,48.306 86.305,48.281 91.566,43.021 91.566,39.243 91.571,39.213 91.588,39.188 91.791,38.985 91.817,38.968 91.846,38.962 95.345,38.962 95.503,38.804 95.503,38.513 95.319,38.33 90.856,38.33 90.826,38.324 90.801,38.307 89.808,37.314 77.223,37.314 73.867,40.67 73.842,40.686 73.812,40.692 71.603,40.692 71.573,40.686 71.548,40.67 66.744,35.866 66.37,35.866 66.34,35.86 66.315,35.844 50.285,19.813 41.079,19.813 40.972,19.92 40.972,20.085 41.51,20.623 49.784,20.623 49.814,20.629 49.839,20.646 70.946,41.753 70.963,41.779 70.969,41.808 70.969,43.282 70.969,54.356 70.963,54.386 70.946,54.411 61.244,64.114 61.218,64.131 61.189,64.136 36.1,64.136 33.86,66.377 33.86,66.902 35.305,66.902
+3.3 on Layer 2 (split plane): 89.508,84.321 89.508,83.541 89.508,83.515 89.508,64.523 87.953,62.968 64.243,62.968 55.196,72.016 55.196,81.001 55.19,81.03 55.173,81.056 53.852,82.376 53.827,82.393 53.797,82.399 47.244,82.399 47.214,82.393 47.189,82.376 33.397,68.584 33.38,68.559 33.374,68.529 33.374,65.811 33.38,65.782 33.397,65.756 39.569,59.584 39.594,59.567 39.624,59.562 56.635,59.562 60.425,55.772 60.425,55.455 60.293,55.323 59.925,55.323 56.57,58.678 56.545,58.695 56.515,58.701 42.24,58.701 42.21,58.695 42.185,58.678 41.576,58.069 40.737,57.23 40.721,57.205 40.715,57.175 40.715,50.553 40.001,49.839 39.984,49.814 39.978,49.784 39.978,42.926 39.984,42.896 40.001,42.871 40.737,42.134 41.525,41.347 41.55,41.33 41.58,41.324 56.153,41.324 56.564,40.913 56.564,40.672 56.381,40.489 40.596,40.489 38.914,42.171 38.914,50.742 39.577,51.405 39.594,51.431 39.6,51.46 39.6,54.369 39.6,57.252 39.594,57.281 39.577,57.307 31.475,65.409 31.45,65.426 31.42,65.432 28.55,65.432 28.52,65.426 28.495,65.409 22.475,59.389 22.458,59.364 22.452,59.334 22.452,54.414 21.329,53.291 15.907,53.291 12.349,56.849 12.323,56.866 12.294,56.872 8.363,56.872 7.901,57.335 7.901,57.651 8.033,57.784 15.697,57.784 15.727,57.789 15.752,57.806 45.778,87.832 51.613,87.832 51.643,87.838 51.668,87.854 55.148,91.334 55.164,91.359 55.17,91.389 55.17,95.091 56.039,95.96 77.87,95.96
6V on Layer 2 (split plane): 13.867,53.384 13.867,52.432 13.582,52.148 11.862,52.148 11.832,52.142 11.807,52.125 10.232,50.55 10.215,50.525 10.209,50.495 10.209,50.47 10.209,50.419 10.209,22.2 10.215,22.17 10.232,22.145 14.245,18.131 14.27,18.115 14.3,18.109 90.519,18.109 90.931,17.697 90.931,16.542 90.544,16.156 13.164,16.156 8.333,20.987 8.333,51.073 9.021,51.761 11.081,53.821 13.43,53.821
+5 on Layer 2 (split plane): 22.046,79.775 22.046,78.772 21.609,78.335 17.475,78.335 17.445,78.329 17.42,78.312 14.042,74.934 14.025,74.909 14.019,74.879 14.019,64.091 11.55,61.622 9.042,61.622 9.013,61.616 8.987,61.599 7.463,60.075 4.06,56.672 4.043,56.646 4.037,56.617 4.037,22.606 4.043,22.576 4.06,22.551 11.324,15.287 11.349,15.27 11.379,15.264 42.056,15.264 43.252,14.067 43.277,14.051 43.307,14.045 60.318,14.045 60.552,13.811 60.552,12.605 60.318,12.371 41.485,12.371 40.568,13.288 40.543,13.305 40.513,13.311 10.294,13.311 2.211,21.394 2.211,57.023 2.211,58.083 7.957,63.829 9.83,63.829 9.86,63.835 9.885,63.851 11.968,65.934 11.984,65.959 11.99,65.989 11.99,76.346 15.856,80.212 21.609,80.212
GND on Layer 2 (split plane): 99.49,0.51 0.51,0.51 0.51,99.49 99.49,99.49
GND on Layer 1 (split plane): 99.49,0.51 0.51,0.51 0.51,99.49 99.49,99.49

## Other copper
Top Layer:
  pour cut-out: 54.254,38.837 54.254,39.345 54.814,39.345 54.812,38.837
  pour cut-out: 7.214,67.348 6.02,67.348 6.02,67.627 7.214,67.627
  pour cut-out: 81.305,64.084 79.388,64.084 79.388,64.579 81.305,64.579
  pour cut-out: 51.74,74.701 50.927,74.701 50.927,74.981 51.74,74.981
  pour cut-out: 84.023,30.886 83.21,30.886 83.21,31.166 84.023,31.166
  pour cut-out: 60.757,53.67 60.3,53.67 60.3,53.95 60.757,53.95
  pour cut-out: 79.934,20.206 79.426,20.206 79.426,20.79 79.934,20.79
  pour cut-out: 27.991,72.593 26.162,72.593 26.162,72.873 27.991,72.873
  pour cut-out: 25.171,53.149 24.689,53.149 24.689,53.429 25.171,53.429
  pour cut-out: 39.649,61.29 39.167,61.29 39.167,61.57 39.649,61.57
  pour cut-out: 25.273,71.73 25.273,70.51 24.994,70.51 24.994,71.73
  pour cut-out: 27.737,70.383 26.797,70.383 26.797,70.663 27.737,70.663
  pour cut-out: 68.224,77.572 68.224,76.759 67.945,76.759 67.945,77.572
  pour cut-out: 30.836,10.262 30.836,9.83 30.556,9.83 30.556,10.262
  pour cut-out: 29.464,6.172 29.032,6.172 29.032,6.452 29.464,6.452
  pour cut-out: 27.356,6.172 26.924,6.172 26.924,6.452 27.356,6.452
  pour cut-out: 9.779,27.178 9.347,27.178 9.347,27.457 9.779,27.457
  pour cut-out: 56.667,56.947 56.21,56.947 56.21,57.226 56.667,57.226
  pour cut-out: 70.485,67.31 69.672,67.31 69.672,67.589 70.485,67.589
  pour cut-out: 74.6,66.472 74.193,66.472 74.193,66.751 74.6,66.751
  pour cut-out: 86.208,74.447 84.099,74.447 84.099,74.943 86.208,74.943
  pour cut-out: 87.808,69.952 86.004,69.952 86.004,70.231 87.808,70.231
  pour cut-out: 78.791,29.426 77.978,29.426 77.978,30.01 78.791,30.01
  pour cut-out: 82.601,31.623 81.788,31.623 81.788,31.902 82.601,31.902
  pour cut-out: 57.582,72.441 51.791,72.441 51.791,72.72 57.582,72.72
  pour cut-out: 50.063,72.885 48.057,72.885 48.057,73.165 50.063,73.165
  pour cut-out: 47.396,74.498 46.584,74.498 46.584,74.778 47.396,74.778
  pour cut-out: 45.314,78.054 44.501,78.054 44.501,78.334 45.314,78.334
  pour cut-out: 30.937,74.549 29.667,74.549 29.667,74.828 30.937,74.828
  pour cut-out: 21.869,64.745 20.295,64.745 20.295,65.024 21.869,65.024
  pour cut-out: 12.954,66.548 11.379,66.548 11.379,66.827 12.954,66.827
  pour cut-out: 9.296,63.576 7.468,63.576 7.468,63.856 9.296,63.856
  pour cut-out: 2.464,62.179 2.007,62.179 2.007,62.459 2.464,62.459
  pour cut-out: 9.931,16.485 9.931,8.103 9.652,8.103 9.652,16.485
  pour cut-out: 17.196,6.058 10.262,6.058 10.262,6.337 17.196,6.337
  pour cut-out: 16.434,18.415 9.5,18.415 9.5,18.694 16.434,18.694
  pour cut-out: 21.793,30.607 20.803,30.607 20.803,30.886 21.793,30.886
  pour cut-out: 40.97,20.383 40.97,27.534 41.25,27.534 41.25,20.409 41.224,20.383
Bottom Layer:
  pour cut-out: 60.274,45.695 59.817,45.695 59.817,46.076 60.274,46.076
  pour cut-out: 18.263,80.112 17.805,80.112 17.805,80.493 18.263,80.493
  pour cut-out: 47.473,55.677 47.015,55.677 47.015,56.058 47.473,56.058
  pour cut-out: 49.606,51.638 49.149,51.638 49.149,52.019 49.606,52.019
  pour cut-out: 48.489,44.45 48.031,44.45 48.031,44.831 48.489,44.831
  pour cut-out: 80.029,62.865 79.534,62.865 79.534,63.144 80.029,63.144
Layer 2 (plane layer: these items are gaps in the copper):
  lines w0.152: 10.287,50.419 10.287,50.495 11.862,52.07 13.614,52.07 13.945,52.4 13.945,53.416 13.462,53.899 11.049,53.899 8.966,51.816 8.255,51.105 8.255,20.955 13.132,16.078 90.576,16.078 91.008,16.51 91.008,17.729 90.551,18.186 14.3,18.186 10.287,22.2 10.287,50.47 ; 70.891,43.231 70.891,54.356 61.189,64.059 36.068,64.059 33.782,66.345 33.782,66.98 35.382,66.98 35.382,66.37 36.779,64.973 61.798,64.973 72.187,54.585 72.187,43.561 72.263,43.485 77.521,38.227 89.687,38.227 90.678,39.218 90.678,42.24 84.938,47.981 84.938,56.718 85.369,57.15 85.801,57.15 86.36,56.591 86.36,48.336 91.643,43.053 91.643,39.243 91.846,39.04 95.377,39.04 95.58,38.837 95.58,38.481 95.352,38.252 90.856,38.252 89.84,37.236 77.191,37.236 73.812,40.615 71.603,40.615 66.777,35.789 66.37,35.789 50.317,19.736 41.046,19.736 40.894,19.888 40.894,20.117 41.478,20.701 49.784,20.701 70.891,41.808 70.891,43.282 ; 89.586,83.515 89.586,84.353 77.902,96.037 56.007,96.037 55.093,95.123 55.093,91.389 51.613,87.909 45.745,87.909 15.697,57.861 8.001,57.861 7.823,57.683 7.823,57.302 8.331,56.794 12.294,56.794 15.875,53.213 21.361,53.213 22.53,54.381 22.53,59.334 28.55,65.354 31.42,65.354 39.522,57.252 39.522,54.369 39.522,51.46 38.837,50.775 38.837,42.139 40.564,40.411 56.413,40.411 56.642,40.64 56.642,40.945 56.185,41.402 41.58,41.402 40.792,42.189 40.056,42.926 40.056,49.784 40.792,50.521 40.792,57.175 41.631,58.014 42.24,58.623 56.515,58.623 59.893,55.245 60.325,55.245 60.503,55.423 60.503,55.804 56.667,59.639 45.923,59.639 43.51,59.639 41.199,59.639 39.624,59.639 33.452,65.811 33.452,68.529 47.244,82.321 53.797,82.321 55.118,81.001 55.118,71.984 64.211,62.89 87.986,62.89 89.586,64.491 89.586,83.541 ; 2.134,57.023 2.134,57.023 ; 2.134,57.023 2.134,58.115 7.925,63.906 9.83,63.906 11.913,65.989 11.913,76.378 15.824,80.289 21.641,80.289 22.123,79.807 22.123,78.74 21.641,78.257 17.475,78.257 14.097,74.879 14.097,64.059 11.582,61.544 9.042,61.544 7.518,60.02 4.115,56.617 4.115,22.606 11.379,15.342 42.088,15.342 43.307,14.122 59.842,14.122 60.35,14.122 60.63,13.843 60.63,12.573 60.35,12.294 41.453,12.294 40.513,13.233 10.262,13.233 2.134,21.361 2.134,57.023

## Silkscreen, mask and mechanical layers (free items; w line width, h text height)
Top Overlay:
  circle w0.15: c5,95 r3
  circle w0.15: c95,95 r3
  circle w0.15: c96,5 r3
  circle w0.15: c4,5 r3
  lines w0.076: 12.954,84.48 13.487,84.48 13.589,84.582 13.589,87.605 13.411,87.782 12.979,87.782 ; 13.157,84.455 13.157,84.023 13.741,83.439 ; 13.767,82.906 13.767,83.414
  text "nRST      | GNDDET / NC/TDI    | KEY / SWO/TDO   | GND / CLK       | GND / SDWIO/TMS | 3V3" at 84.709,96.266 h0.38 r270
  text "BRICKWORKS 2021 / REV 1A 10/17/2021 / MATTHEW GLAZER" at 19.05,15.113 h1.52
Mechanical 1:
  the board outline again, w0.254

## Text inside footprints (layer, text, board x,y; h text height)
J1: Top Overlay "1" at 22.206,91.964 h0.51; Top Overlay "2" at 22.079,93.996 h0.51; Top Overlay "27" at 53.702,91.964 h0.51; Top Overlay "28" at 53.702,93.996 h0.51